# Allegro board pc065c_fibv2_toplevel_26_waive.brd (continued)
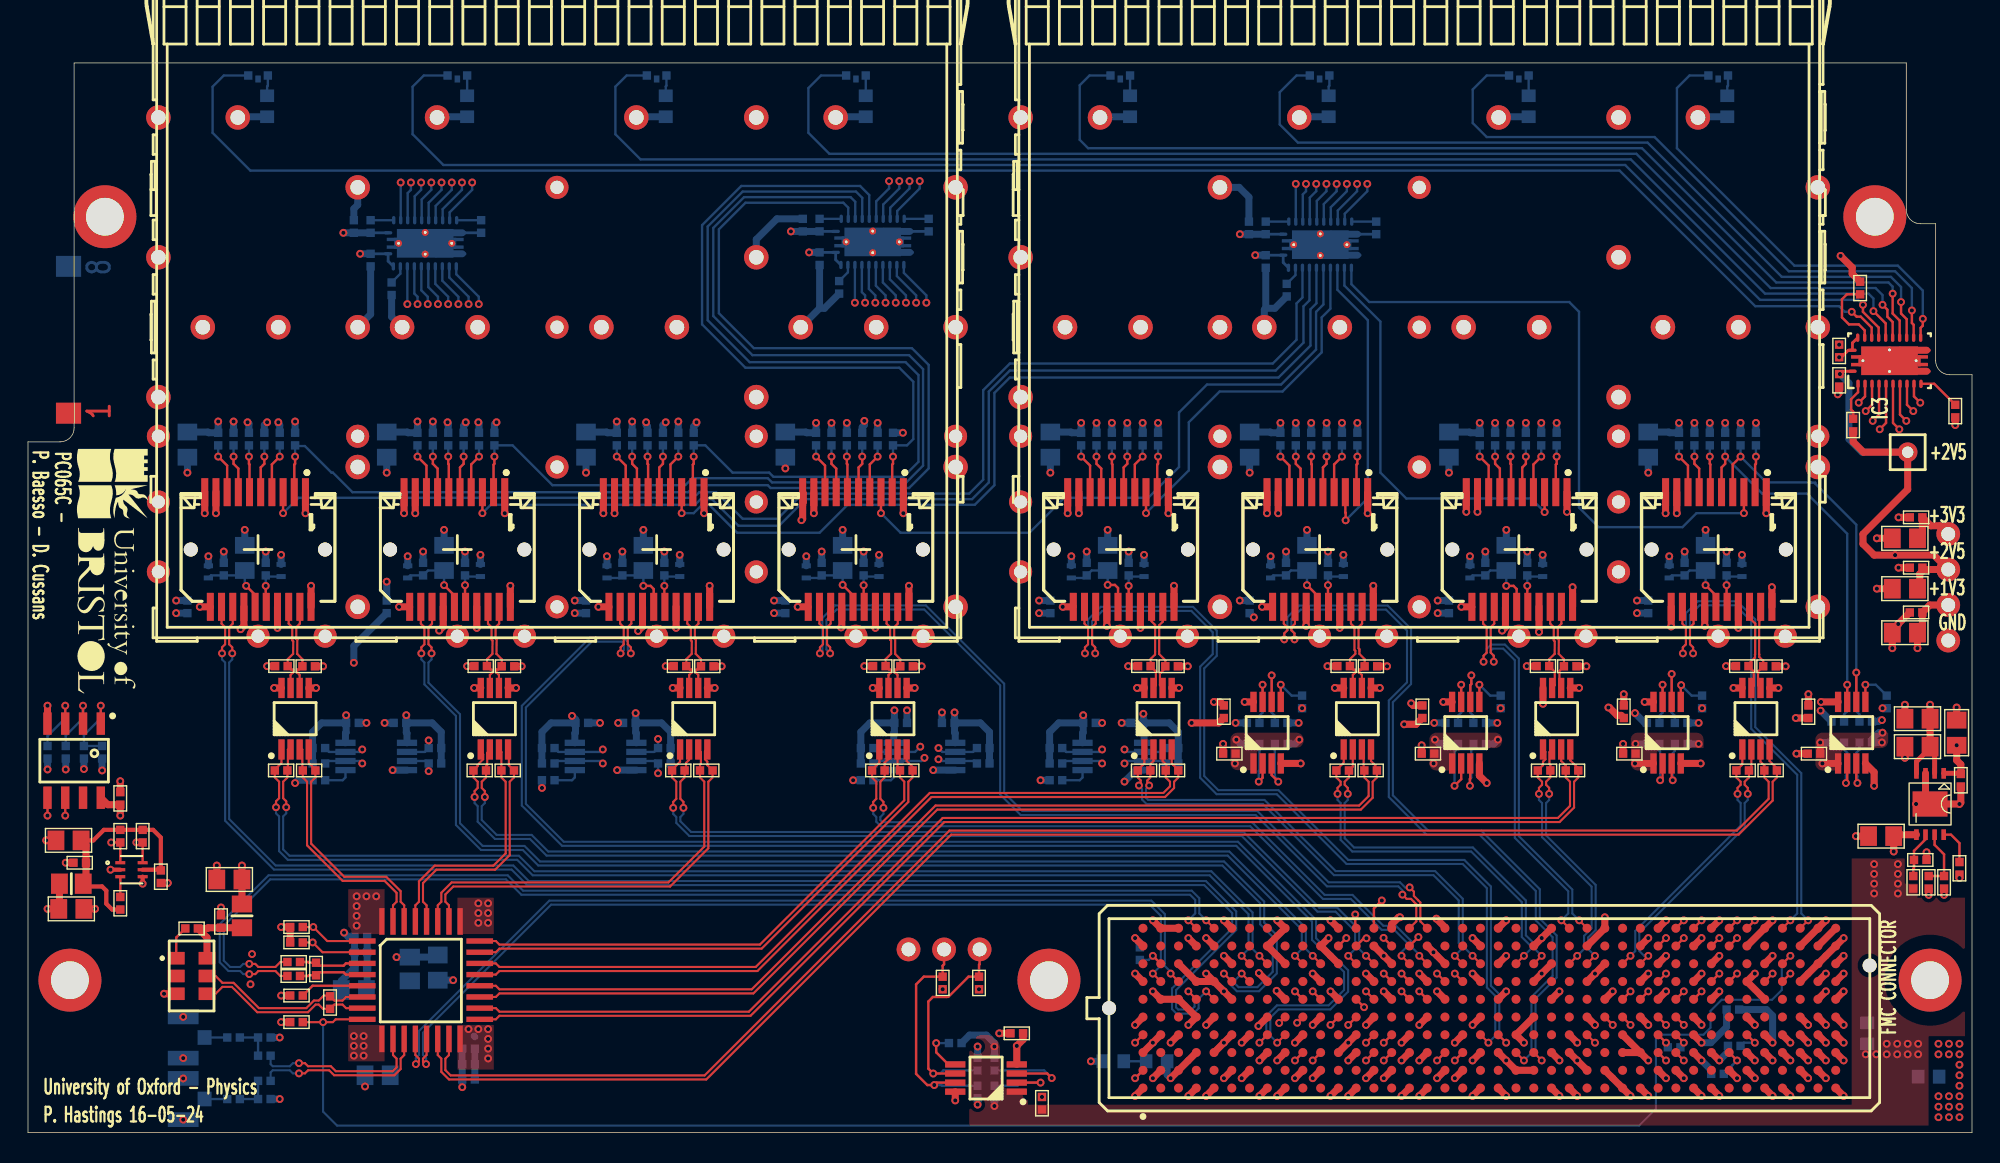
[diagram p0: board, top side]
## Routing (per net, layer and track width the routed paths; a pad name or vN(x,y) marks a point on that pad's centre or on a via; arc(x,y) is an arc through that point) (continued)
SFP_TX_DISABLE<2>: length 62.7
  TOP w0.17: J16.3 v1(46.74,44.3)
  BOTTOM w0.17: v1(46.74,44.3) 47.6,44.3 48.2,44.9 48.7,44.9 50.7,42.9 56.6,42.9 58.6,44.9 67.7,44.9 69.1,46.3 69.1,52.9 70.2,54 89.42,54 91.7,56.28 91.7,58.88 92.12,59.31 IC6.19
SFP_TX_DISABLE<3>: length 47
  TOP w0.17: J20.3 v1(60.99,44.3)
  BOTTOM w0.17: IC6.18 92.62,59.23 92.1,58.7 92.1,56 89.6,53.5 84.3,53.5 82.3,51.5 82.3,47.6 80.1,45.4 74.1,45.4 71.6,42.9 62.39,42.9 v1(60.99,44.3)
SFP_TX_DISABLE<4>: length 27.1
  TOP w0.17: J36.3 v1(79.94,44.3)
  BOTTOM w0.17: v1(79.94,44.3) 83,47.36 83,50.8 85.2,53 89.7,53 92.5,55.8 92.5,58.3 93.12,58.92 IC6.17
SFP_TX_DISABLE<5>: length 21.6
  TOP w0.17: v1(94.21,43.79) 94.21,44.33 94.19,44.35 J32.3
  BOTTOM w0.17: IC6.16 93.62,60.27 95.8,58.1 95.8,45.38 v1(94.21,43.79)
SFP_TX_DISABLE<6>: length 30
  TOP w0.17: J28.3 v1(108.44,44.38)
  BOTTOM w0.17: IC6.15 94.12,60.58 96.7,58 96.7,47.2 98.55,45.35 107.47,45.35 v1(108.44,44.38)
SFP_TX_DISABLE<7>: length 46.6
  TOP w0.17: J24.3 v1(122.69,44.3)
  BOTTOM w0.17: IC6.14 94.62,60.67 95.9,59.4 110.2,59.4 110.9,58.7 110.9,44.7 112.3,43.3 118.3,43.3 119.3,44.3 v1(122.69,44.3)
SFP_TX_DISABLE_FPGA<0>: length 95.7
  TOP w0.17: 117.83,9.54 v1(118.39,10.1)
  L6_SIG w0.17: v1(90.65,67.85) 90.65,66.35 91.4,65.6 119.9,65.6 125.3,60.2 125.3,27.5 117.7,19.9 117.7,13.1 118.39,12.41 v1(118.39,10.1)
  BOTTOM w0.17: IC6.3 v1(90.65,67.85)
SFP_TX_DISABLE_FPGA<1>: length 101.3
  TOP w0.17: 116.56,8.27 v1(117.12,7.7)
  L6_SIG w0.17: v1(91.38,67.85) 91.38,68.34 91.12,68.6 89.9,68.6 89.7,68.4 89.7,66.6 91.3,65 118.8,65 124.1,59.7 124.1,28 116.5,20.4 116.5,12.3 116.8,12 117.4,12 117.8,11.6 117.8,9.4 117.12,8.72 v1(117.12,7.7)
  BOTTOM w0.17: v1(91.38,67.85) 91.38,67.32 91.15,67.09 IC6.4
SFP_TX_DISABLE_FPGA<2>: length 97.4
  TOP w0.17: 121.64,14.62 v1(122.2,15.18)
  L6_SIG w0.17: v1(92.11,67.85) 92.11,67.09 93,66.2 122.7,66.2 128.6,60.3 128.6,26.9 120.2,18.5 120.2,13.6 120.6,13.2 121.1,13.2 121.5,13.6 121.5,13.99 122.2,14.69 v1(122.2,15.18)
  BOTTOM w0.17: v1(92.11,67.85) 92.11,67.32 91.65,66.86 IC6.5
SFP_TX_DISABLE_FPGA<3>: length 95.4
  TOP w0.17: J2.J33 v1(120.93,13.91)
  L6_SIG w0.17: v1(92.84,67.85) 92.84,67.26 93.26,66.84 96.54,66.84 98.65,68.95 120.85,68.95 129.24,60.56 129.24,26.64 121.6,19 121.6,15.1 120.93,14.43 v1(120.93,13.91)
  BOTTOM w0.17: IC6.6 92.15,66.63 92.84,67.32 v1(92.84,67.85)
SFP_TX_DISABLE_FPGA<4>: length 139.5
  TOP w0.17: 119.09,9.54 v1(119.66,10.1)
  L6_SIG w0.17: v1(93.57,67.85) 94,68.28 94,73.3 94.7,74 94.7,75 98.7,79 128.7,79 134.7,73 134.7,22.57 130.5,18.37 130.5,7.6 130,7.1 117.87,7.1 117.7,7.27 117.7,8.14 v1(119.66,10.1)
  BOTTOM w0.17: v1(93.57,67.85) 93.57,67.32 92.65,66.4 IC6.7
SFP_TX_DISABLE_FPGA<5>: length 127.2
  TOP w0.17: J2.E31 v1(118.39,7.7)
  L6_SIG w0.17: v1(94.3,67.85) 94.7,68.25 94.7,72.3 100.4,78 125.6,78 133.7,69.9 133.7,23.2 129.2,18.7 129.2,9.4 128.5,8.7 119.39,8.7 v1(118.39,7.7)
  BOTTOM w0.17: v1(94.3,67.85) 94.3,67.32 93.15,66.17 IC6.8
SFP_TX_DISABLE_FPGA<6>: length 100.5
  TOP w0.17: 122.91,14.62 v1(123.47,15.18)
  L6_SIG w0.17: v1(95.03,67.85) 95.03,69.69 101.11,75.77 117.89,75.77 131.07,62.59 131.07,25.11 123.47,17.51 v1(123.47,15.18)
  BOTTOM w0.17: v1(95.03,67.85) 95.03,67.32 93.65,65.94 IC6.9
SFP_TX_DISABLE_FPGA<7>: length 99.9
  TOP w0.17: 121.64,13.35 v1(122.2,13.91)
  L6_SIG w0.17: v1(95.76,67.85) 95.76,69.47 101.39,75.1 117.61,75.1 130.4,62.31 130.4,25.39 122.8,17.79 122.8,14.51 v1(122.2,13.91)
  BOTTOM w0.17: v1(95.76,67.85) 95.76,67.32 94.15,65.71 IC6.10
TD_FFD_N<0>: length 82.9
  TOP w0.15: U3.2 18.59,27.4 18.59,25.93 R1.2 18.55,25.4 18.25,25.09 18.25,23.92 18.46,23.7 v1(18.46,23.27) ; J2.H8 v1(88.05,12.64)
  BOTTOM w0.15: v1(18.46,23.27) 18.46,22.83 18.25,22.61 18.25,20.25 18.7,19.8 35.1,19.8 36.21,18.69 84.61,18.69 87.56,15.74 87.56,13.13 v1(88.05,12.64)
TD_FFD_N<1>: length 70.6
  TOP w0.15: U4.2 32.89,27.26 32.89,27.2 32.84,27.15 32.84,26.29 32.75,26.2 R187.2 32.75,25.4 32.45,25.09 32.45,24.65 32.66,24.43 v1(32.66,24) ; J2.H11 v1(91.86,12.64)
  BOTTOM w0.15: v1(32.66,24) 32.66,23.56 32.45,23.34 32.45,22.36 33.51,21.29 36.01,21.29 37.2,20.1 85.9,20.1 91.37,14.63 91.37,13.13 v1(91.86,12.64)
TD_FFD_N<2>: length 60.2
  TOP w0.15: v1(46.87,23.22) 46.87,23.65 46.65,23.87 46.65,25.09 46.95,25.4 R189.2 47.05,26 47.05,26.44 47.27,26.66 U5.2 ; J2.H14 v1(95.67,12.64)
  BOTTOM w0.15: v1(95.67,12.64) 95.18,13.13 95.18,14.52 93.61,16.09 92.32,16.09 86.91,21.5 47.41,21.5 46.65,22.27 46.65,22.57 46.87,22.79 v1(46.87,23.22)
TD_FFD_N<3>: length 49.1
  TOP w0.15: U6.2 61.52,26.7 61.5,26.7 61.25,26.45 R191.2 61.25,25.4 60.95,25.09 60.95,23.87 61.16,23.65 v1(61.16,23.22) ; J2.H17 v1(99.48,12.64)
  BOTTOM w0.15: v1(61.16,23.22) 61.16,22.79 60.95,22.57 60.95,22.35 61.09,22.2 87.51,22.2 92.71,17 94.7,17 96.91,14.79 97.81,14.79 98.9,13.7 98.9,13.3 99.48,12.72 v1(99.48,12.64)
TD_FFD_N<4>: length 34.6
  TOP w0.15: v1(80.17,24.82) 80.03,24.96 80.03,25.18 80.25,25.4 R199.2 80.25,26.35 80.47,26.57 U10.2 ; 103.86,12.07 v1(103.29,12.64)
  BOTTOM w0.15: v1(103.29,12.64) 102.8,13.13 102.8,13.46 102.59,13.67 102.59,16.72 100.61,18.7 93.5,18.7 88.41,23.79 80.09,23.79 79.94,23.94 79.94,24.6 v1(80.17,24.82)
TD_FFD_N<5>: length 26.8
  TOP w0.15: v1(94.36,24.22) 94.36,24.65 94.14,24.87 94.14,25.09 94.45,25.4 R197.2 94.72,26.18 U9.2 ; J2.H23 v1(108.23,12.64)
  BOTTOM w0.15: v1(94.36,24.22) 94.36,23.79 94.14,23.57 94.14,21.06 94.81,20.39 103.31,20.39 107.1,16.6 107.1,14.11 107.74,13.46 107.74,13.13 v1(108.23,12.64)
TD_FFD_N<6>: length 17.9
  TOP w0.15: v1(108.77,24.22) 108.77,24.65 108.55,24.87 108.55,25.09 108.85,25.4 R195.2 108.85,26.3 108.78,26.37 108.78,27.21 U8.2 ; J2.H26 v1(112.04,12.64)
  BOTTOM w0.15: v1(112.04,12.64) 111.55,13.13 111.55,13.95 112.09,14.49 112.09,17.71 108.55,21.25 108.55,23.57 108.77,23.79 v1(108.77,24.22)
TD_FFD_N<7>: length 19.5
  TOP w0.15: v1(122.97,24.22) 122.97,24.65 122.75,24.87 122.75,25.09 123.05,25.4 R193.2 123.22,26.07 U7.2 ; J2.H29 v1(115.85,12.64)
  BOTTOM w0.15: v1(115.85,12.64) 115.56,12.64 115.21,12.99 115.21,14.3 122.75,21.83 122.75,23.57 122.97,23.79 v1(122.97,24.22)
TD_FFD_P<0>: length 82.9
  TOP w0.15: J2.H7 v1(86.78,12.64) ; v1(17.73,23.27) 17.73,23.7 17.95,23.92 17.95,25.09 17.65,25.4 R1.1 17.65,25.96 18.12,26.43 U3.1
  BOTTOM w0.15: v1(17.73,23.27) 17.73,22.83 17.95,22.61 17.95,20.13 18.57,19.51 34.98,19.51 36.09,18.4 84.49,18.4 87.27,15.62 87.27,13.13 v1(86.78,12.64)
TD_FFD_P<1>: length 70.8
  TOP w0.15: J2.H10 v1(90.59,12.64) ; U4.1 32.38,27.25 32.49,27.13 32.49,27.11 32.55,27.06 32.55,26.7 32.15,26.3 32.15,26.2 R187.1 31.85,25.4 32.16,25.09 32.16,24.65 31.93,24.43 v1(31.93,24)
  BOTTOM w0.15: v1(90.59,12.64) 91.08,13.13 91.08,14.51 85.78,19.81 37.08,19.81 35.89,21 33.39,21 32.16,22.23 32.16,23.34 31.93,23.56 v1(31.93,24)
TD_FFD_P<2>: length 60.3
  TOP w0.15: J2.H13 v1(94.4,12.64) ; v1(46.13,23.22) 46.13,23.65 46.35,23.87 46.35,25.09 46.05,25.4 R189.1 46.15,26 46.15,26.05 46.62,26.52 U5.1
  BOTTOM w0.15: v1(94.4,12.64) 94.89,13.13 94.89,14.4 93.49,15.8 92.2,15.8 86.79,21.21 47.29,21.21 46.35,22.15 46.35,22.57 46.13,22.79 v1(46.13,23.22)
TD_FFD_P<3>: length 49.1
  TOP w0.15: U6.1 60.88,26.47 60.35,25.95 R191.1 60.35,25.4 60.66,25.09 60.66,23.87 60.44,23.65 v1(60.44,23.22) ; 98.78,12.07 v1(98.21,12.64)
  BOTTOM w0.15: v1(98.21,12.64) 98.21,12.91 98.61,13.31 98.61,13.58 97.69,14.5 96.79,14.5 94.58,16.71 92.59,16.71 87.39,21.91 60.97,21.91 60.66,22.23 60.66,22.57 60.44,22.79 v1(60.44,23.22)
TD_FFD_P<4>: length 34.7
  TOP w0.15: U10.1 79.83,26.41 79.35,25.93 R199.1 79.35,25.4 79.56,25.19 79.56,24.98 79.44,24.85 v1(79.44,24.82) ; J2.H19 v1(102.02,12.64)
  BOTTOM w0.15: v1(102.02,12.64) 102.51,13.13 102.51,13.34 102.3,13.55 102.3,16.6 100.49,18.41 93.38,18.41 88.29,23.5 79.97,23.5 79.66,23.82 79.66,24.55 79.44,24.77 v1(79.44,24.82)
TD_FFD_P<5>: length 26.9
  TOP w0.15: J2.H22 v1(106.96,12.64) ; U9.1 94.08,26.46 93.55,25.93 R197.1 93.55,25.4 93.86,25.09 93.86,24.87 93.64,24.65 v1(93.64,24.22)
  BOTTOM w0.15: v1(106.96,12.64) 107.45,13.13 107.45,13.34 106.81,13.98 106.81,16.48 103.19,20.1 94.69,20.1 93.86,20.93 93.86,23.57 93.64,23.79 v1(93.64,24.22)
TD_FFD_P<6>: length 18.1
  TOP w0.15: U8.1 108.5,27.23 108.5,26.7 108.33,26.53 108.33,26.27 R195.1 107.95,25.4 108.25,25.09 108.25,24.87 108.03,24.65 v1(108.03,24.22) ; J2.H25 v1(110.77,12.64)
  BOTTOM w0.15: v1(110.77,12.64) 111.26,13.13 111.26,14.07 111.8,14.61 111.8,17.59 108.25,21.13 108.25,23.57 108.03,23.79 v1(108.03,24.22)
TD_FFD_P<7>: length 19.3
  TOP w0.15: v1(122.23,24.22) 122.23,24.65 122.45,24.87 122.45,25.09 122.15,25.4 R193.1 122.52,26.27 122.52,26.3 122.58,26.36 U7.1 ; J2.H28 v1(114.58,12.64)
  BOTTOM w0.15: v1(122.23,24.22) 122.23,23.79 122.45,23.57 122.45,21.95 114.92,14.42 114.92,12.98 v1(114.58,12.64)
TEMP_ALERT: length 1.4
  TOP w0.17: IC2.3 R11.1
UNNAMED_1_CAPCERSMDCL2_I31_B: length 5.7
  TOP w0.17: J7.15 16.24,38.46 v1(15.6,39.1)
  BOTTOM w0.17: L5.1 13.09,39.85 C35.2 15.15,39.85 C34.2 15.5,39.2 v1(15.6,39.1)
UNNAMED_1_CAPCERSMDCL2_I31_B_1: length 5.7
  TOP w0.17: v1(29.75,39.15) 30.49,38.41 J12.15
  BOTTOM w0.17: L7.1 27.34,39.85 C44.2 28.6,40.2 C43.2 v1(29.75,39.15)
UNNAMED_1_CAPCERSMDCL2_I31_B_2: length 6
  TOP w0.17: J16.15 44.74,38.88 44.52,39.1 v1(44,39.1)
  BOTTOM w0.17: v1(44,39.1) C48.2 43.65,39.85 C49.2 42.31,39.66 L9.1
UNNAMED_1_CAPCERSMDCL2_I31_B_3: length 5.7
  TOP w0.17: v1(58.25,39.17) 58.99,38.43 J20.15
  BOTTOM w0.17: L11.1 56.56,39.66 C54.2 57.9,39.85 C53.2 v1(58.25,39.17)
UNNAMED_1_CAPCERSMDCL2_I31_B_4: length 5.7
  TOP w0.17: v1(119.95,39.15) 120.69,38.41 J24.15
  BOTTOM w0.17: v1(119.95,39.15) C62.2 118.8,40.2 C63.2 117.53,39.85 L13.1
UNNAMED_1_CAPCERSMDCL2_I31_B_5: length 6
  TOP w0.17: J28.15 106.44,38.88 106.22,39.1 v1(105.7,39.1)
  BOTTOM w0.17: v1(105.7,39.1) C67.2 104.55,40.2 C68.2 103.28,39.85 L15.1
UNNAMED_1_CAPCERSMDCL2_I31_B_6: length 5.7
  TOP w0.17: J32.15 92.19,38.41 v1(91.45,39.15)
  BOTTOM w0.17: L17.1 89.03,39.85 C73.2 90.3,40.2 C72.2 v1(91.45,39.15)
UNNAMED_1_CAPCERSMDCL2_I31_B_7: length 6
  TOP w0.17: J36.15 77.94,38.95 77.72,39.17 v1(77.2,39.17)
  BOTTOM w0.17: L19.1 75.52,39.66 C78.2 76.05,40.2 C77.2 v1(77.2,39.17)
UNNAMED_1_CAPCERSMDCL2_I35_B: length 3.4
  TOP w0.17: J7.16 17,37.64 v1(17,39.1)
  BOTTOM w0.17: v1(17,39.1) C33.2 17.09,39.77 L4.2
UNNAMED_1_CAPCERSMDCL2_I35_B_1: length 3.4
  TOP w0.17: J12.16 31.25,37.64 v1(31.25,39.15)
  BOTTOM w0.17: v1(31.25,39.15) C42.2 31.34,39.77 L6.2
UNNAMED_1_CAPCERSMDCL2_I35_B_2: length 3.4
  TOP w0.17: J16.16 45.5,37.64 v1(45.5,39.1)
  BOTTOM w0.17: v1(45.5,39.1) C47.2 45.59,39.77 L8.2
UNNAMED_1_CAPCERSMDCL2_I35_B_3: length 3.4
  TOP w0.17: v1(59.75,39.15) 59.75,37.64 J20.16
  BOTTOM w0.17: L10.2 59.84,39.77 C52.2 v1(59.75,39.15)
UNNAMED_1_CAPCERSMDCL2_I35_B_4: length 3.4
  TOP w0.17: J24.16 121.45,37.64 v1(121.45,39.15)
  BOTTOM w0.17: L12.2 121.53,39.77 C61.2 v1(121.45,39.15)
UNNAMED_1_CAPCERSMDCL2_I35_B_5: length 3.4
  TOP w0.17: v1(107.2,39.1) 107.2,37.64 J28.16
  BOTTOM w0.17: L14.2 107.28,39.77 C66.2 v1(107.2,39.1)
UNNAMED_1_CAPCERSMDCL2_I35_B_6: length 3.4
  TOP w0.17: v1(92.95,39.15) 92.95,37.64 J32.16
  BOTTOM w0.17: L16.2 93.03,39.77 C71.2 v1(92.95,39.15)
UNNAMED_1_CAPCERSMDCL2_I35_B_7: length 3.4
  TOP w0.17: v1(78.7,39.1) 78.7,37.64 J36.16
  BOTTOM w0.17: v1(78.7,39.1) C76.2 78.78,39.77 L18.2
UNNAMED_1_CON20PSFP_I19_RATES_1: length 3.5
  TOP w0.17: v1(28.95,48.34) 28.95,47.83 29.29,47.49 J12.7
  BOTTOM w0.17: R41.1 v1(28.95,48.34)
UNNAMED_1_CON20PSFP_I19_RATES_2: length 3.5
  TOP w0.17: J16.7 43.54,47.49 43.2,47.83 v1(43.2,48.34)
  BOTTOM w0.17: R49.1 v1(43.2,48.34)
UNNAMED_1_CON20PSFP_I19_RATES_3: length 3.5
  TOP w0.17: v1(57.45,48.34) 57.45,47.83 57.79,47.49 J20.7
  BOTTOM w0.17: R57.1 v1(57.45,48.34)
UNNAMED_1_CON20PSFP_I19_RATES_4: length 3.5
  TOP w0.17: v1(119.15,48.34) 119.15,47.83 119.49,47.49 J24.7
  BOTTOM w0.17: R106.1 v1(119.15,48.34)
UNNAMED_1_CON20PSFP_I19_RATES_5: length 3.5
  TOP w0.17: J28.7 105.24,47.49 104.9,47.83 v1(104.9,48.34)
  BOTTOM w0.17: R114.1 v1(104.9,48.34)
UNNAMED_1_CON20PSFP_I19_RATES_6: length 3.5
  TOP w0.17: v1(90.65,48.34) 90.65,47.83 90.99,47.49 J32.7
  BOTTOM w0.17: R122.1 v1(90.65,48.34)
UNNAMED_1_CON20PSFP_I19_RATES_7: length 3.5
  TOP w0.17: J36.7 76.74,47.49 76.4,47.83 v1(76.4,48.34)
  BOTTOM w0.17: R130.1 v1(76.4,48.34)
UNNAMED_1_CON20PSFP_I19_RATESEL: length 3.5
  TOP w0.17: v1(14.7,48.34) 14.7,47.83 15.04,47.49 J7.7
  BOTTOM w0.17: R29.1 v1(14.7,48.34)
UNNAMED_1_RSMD0402_I7_B: length 3.3
  TOP w0.17: IC11.5 65.8,4.88 64.94,5.74 v1(64.94,6.4)
  BOTTOM w0.17: R133.2 v1(64.94,6.4)
UNNAMED_1_RSMD0402_I7_B_1: length 2.1
  BOTTOM w0.17: IC12.5 22.7,25.4 22.5,25.2 R138.2
UNNAMED_1_RSMD0402_I7_B_2: length 2.1
  BOTTOM w0.17: IC14.5 39.1,25.4 38.9,25.2 R143.2
UNNAMED_1_RSMD0402_I7_B_3: length 2.1
  BOTTOM w0.17: R148.2 61.7,25.2 61.9,25.4 IC15.5
UNNAMED_1_RSMD0402_I7_B_4: length 2.1
  BOTTOM w0.17: R153.2 75.2,25.2 75.4,25.4 IC16.5
UNNAMED_1_RSMD0402_I7_B_5: length 3.1
  TOP w0.17: 89.58,30.8 v1(89.58,32.03)
  BOTTOM w0.17: R158.2 90.36,31.25 v1(89.58,32.03)
UNNAMED_1_RSMD0402_I7_B_6: length 3.1
  TOP w0.17: 103.78,30.8 v1(103.78,32.03)
  BOTTOM w0.17: v1(103.78,32.03) 104.56,31.25 R163.2
UNNAMED_1_RSMD0402_I7_B_7: length 3
  TOP w0.17: v1(118.2,32) 118.17,31.98 IC19.5
  BOTTOM w0.17: R168.2 118.95,31.25 v1(118.2,32)
UNNAMED_1_RSMD0402_I7_B_8: length 3.1
  TOP w0.17: IC20.5 v1(131.38,32.03)
  BOTTOM w0.17: v1(131.38,32.03) 132.12,32.03 R173.2
UNNAMED_4_FMCHPCGENERIC_I62_GA0: length 2.2
  TOP w0.17: 121.64,5.72 v1(122.2,5.16)
  BOTTOM w0.17: v1(122.2,5.16) 121.85,4.8 121.85,4.8 R16.2
UNNAMED_4_FMCHPCGENERIC_I62_GA1: length 1.9
  TOP w0.17: 122.91,7 v1(123.47,6.43)
  BOTTOM w0.17: v1(123.47,6.43) 122.68,6.43 R20.2
UNNAMED_4_FMCHPCGENERIC_I62_TDI: length 1.2
  TOP w0.17: 116.56,7 v1(117.12,6.43)
  BOTTOM w0.17: v1(117.12,6.43) 117.25,6.3 R65.1
UNNAMED_4_FMCHPCGENERIC_I62_TDO: length 1.2
  TOP w0.17: 117.83,7 v1(118.39,6.43)
  BOTTOM w0.17: R65.2 118.15,6.19 v1(118.39,6.43)
UNNAMED_5_24AA025E48_I9_A0: length 6
  TOP w0.17: IC1.1 v1(5.21,30.53)
  BOTTOM w0.17: R201.1 R202.1 4,28.43 5.21,29.63 v1(5.21,30.53)
UNNAMED_5_24AA025E48_I9_A1: length 4.7
  TOP w0.17: 3.94,29.25 v1(3.94,30.53)
  BOTTOM w0.17: v1(3.94,30.53) 3.94,29.63 2.7,28.39 R204.1
UNNAMED_5_24AA025E48_I9_A2: length 4.7
  TOP w0.17: IC1.3 v1(2.67,30.53)
  BOTTOM w0.17: R203.1 1.4,28.36 2.67,29.63 v1(2.67,30.53)
UNNAMED_7_CAPCERSMDCL2_I28_B: length 2.7
  TOP w0.17: U11.8 137.5,21.3 138.1,20.7 C101.2
UNNAMED_7_MP20075REG_I17_EN: length 4.3
  TOP w0.17: R182.2 R62.2 137,19.9 136.32,20.57 U11.7
UNNAMED_7_MP20075REG_I17_REF: length 3.3
  TOP w0.17: R183.2 134.8,18.86 134.85,18.91 C19.2 134.85,20.15 135.68,20.98 U11.6
UNNAMED_8_CAPCERSMDCL2_I154_B: length 2.6
  BOTTOM w0.17: C30.2 R12.2 R18.1
UNNAMED_8_CAPCERSMDCL2_I158_B: length 2.6
  BOTTOM w0.17: C121.2 R17.2 R19.1
UNNAMED_8_CAPCERSMDCL2_I167_A: length 4.6
  TOP w0.17: U1.3 22.73,12.1 22.57,11.94 20.82,11.94 R2.1 20.09,12.15 20.04,12.2 C16.1
UNNAMED_8_CAPCERSMDCL2_I168_B: length 4.6
  TOP w0.17: U1.4 22.73,11.3 22.57,11.46 20.82,11.46 R2.2 20.09,11.25 20.04,11.2 C18.2
UNNAMED_8_PCOAX_I121_A: length 1.6
  BOTTOM w0.17: R18.2 PX3.1
UNNAMED_8_PCOAX_I155_A: length 1.6
  BOTTOM w0.17: R19.2 PX4.1
UNNAMED_8_RSMD0402_I172_B: length 2.4
  TOP w0.17: R3.2 10.6,13.95 QZ1.1
UNNAMED_13_RSMD0402_I94_B: length 2.8
  TOP w0.17: IC3.2 130.85,52.95 130.35,52.45 130.35,51.71 130.5,51.56 R66.2
UNNAMED_13_RSMD0402_I95_B: length 3.1
  TOP w0.17: IC3.11 136.3,53.55 R67.2
UNNAMED_13_RSMD0402_I96_B: length 5.3
  TOP w0.17: R68.2 130.05,59.95 129.7,59.6 129.7,58.3 130.2,57.8 130.9,57.8 131.32,57.38 IC3.22
UNNAMED_13_RSMD0402_I126_B: length 1.6
  BOTTOM w0.17: IC4.2 R31.2
UNNAMED_13_RSMD0402_I127_B: length 1.8
  BOTTOM w0.17: IC4.11 R32.2
UNNAMED_13_RSMD0402_I128_B: length 1.4
  BOTTOM w0.17: R69.2 26.62,61.42 IC4.22
UNNAMED_13_RSMD0402_I147_B: length 1.5
  BOTTOM w0.17: IC5.2 R70.2
UNNAMED_13_RSMD0402_I148_B: length 1.8
  BOTTOM w0.17: R71.2 IC5.11
UNNAMED_13_RSMD0402_I149_B: length 1.6
  BOTTOM w0.17: 58.62,62.2 IC5.22 58.62,61.52 R72.2
UNNAMED_13_RSMD0402_I168_B: length 1.7
  BOTTOM w0.17: IC6.2 R73.2
UNNAMED_13_RSMD0402_I169_B: length 1.8
  BOTTOM w0.17: R74.2 IC6.11
UNNAMED_13_RSMD0402_I170_B: length 1.4
  BOTTOM w0.17: R75.2 90.62,61.33 IC6.22
UNNAMED_13_RSMD0603_I76_A: length 1.5
  BOTTOM w0.17: DS1.1 17.15,74.87 17.1,74.82 R30.1
UNNAMED_13_RSMD0603_I77_A: length 1.4
  BOTTOM w0.17: DS2.1 R33.1
UNNAMED_13_RSMD0603_I78_A: length 1.5
  BOTTOM w0.17: R58.1 45.6,74.82 45.65,74.87 DS3.1
UNNAMED_13_RSMD0603_I79_A: length 1.4
  BOTTOM w0.17: DS4.1 R59.1
UNNAMED_13_RSMD0603_I80_A: length 1.4
  BOTTOM w0.17: DS5.1 R60.1
UNNAMED_13_RSMD0603_I81_A: length 1.5
  BOTTOM w0.17: R61.1 93,74.82 93.05,74.87 DS6.1
UNNAMED_13_RSMD0603_I82_A: length 1.4
  BOTTOM w0.17: DS7.1 R63.1
UNNAMED_13_RSMD0603_I83_A: length 1.5
  BOTTOM w0.17: R64.1 121.5,74.82 121.55,74.87 DS8.1
VADJ: length 3.2
  TOP w0.5: 129.25,9.54 v1(129.82,10.1) ; J2.G39 v1(128.55,11.37) ; J2.E39 v1(128.55,7.7) ; 129.25,12.07 v1(129.82,12.64)
VIO_B_M2C: length 1.8
  TOP w0.5: J2.J39 129.25,14.62

## Copper pours and planes (outline as drawn; the poured copper is in the pictures)
GND on TOP: 30.7,16.8 30.7,14.2 33.3,14.2 33.3,16.8
GND on TOP: 22.9,7.7 22.9,5.1 25.5,5.1 25.5,7.7
GND on L2_GND, L7_GND: 3.8,76 133.8,76 133.8,66 134.24,64.94 135.3,64.5 135.9,64.5 135.9,55.2 136.34,54.14 137.4,53.7 138.5,53.7 138.5,0.5 0.5,0.5 0.5,48.9 2.3,48.9 3.36,49.34 3.8,50.4 3.8,50.7 6.1,50.7 6.1,62.7 3.8,62.7
P1V3 on L5_PWR: 3.8,76 133.8,76 133.8,66 134.24,64.94 135.3,64.5 135.9,64.5 135.9,55.2 136.34,54.14 137.4,53.7 138.5,53.7 138.5,0.5 0.5,0.5 0.5,48.9 2.3,48.9 3.36,49.34 3.8,50.4 3.8,50.7 6.1,50.7 6.1,62.7 3.8,62.7
P2V5 on TOP: 91.2,28.1 91.05,28.45 90.7,28.6 86.48,28.6 86.13,28.45 85.98,28.1 85.98,26.42 86.13,26.07 86.48,25.92 87.38,25.92 87.74,26.07 87.88,26.42 87.88,27.02 88.03,27.38 88.38,27.52 90.7,27.52 91.05,27.67 91.2,28.02
P2V5 on TOP: 105.4,28.1 105.25,28.45 104.9,28.6 100.7,28.6 100.35,28.45 100.2,28.1 100.2,26.4 100.35,26.05 100.7,25.9 101.6,25.9 101.95,26.05 102.1,26.4 102.1,27 102.25,27.35 102.6,27.5 104.9,27.5 105.25,27.65 105.4,28
P2V5 on TOP: 130.4,19.6 134.2,19.6 134.2,17.8 135.1,17.8 135.1,16.8 138.5,16.8 138.5,6.9 135.9,6.9 135.9,0.5 67.3,0.5 67.3,6 67.59,6.71 68.3,7 68.5,7 69.21,6.71 69.5,6 69.5,4.2 69.79,3.49 70.5,3.2 71.1,3.2 71.1,2.8 71.21,2.48 71.5,2.31 71.5,2 130.4,2
P2V5 on BOTTOM: 130.8,6.9 130.8,5.1 135.7,5.1 135.7,6.9
P2V5 on BOTTOM: 25.7,14.1 25.7,11.9 30.4,11.9 30.4,14.1
P2V5 on L5_PWR: 21.9,65.4 88.9,65.4 88.9,61.4 68.9,61.4 68.9,19.5 71.3,19.5 71.3,31.2 80.9,31.2 80.9,19.5 85.6,19.5 85.6,31.1 92.2,31.1 92.2,19.5 99.9,19.5 99.9,31.4 107.6,31.4 107.6,19.5 113.9,19.5 113.9,30.6 120.8,30.6 120.8,19.5 131.6,19.5 131.6,25.8 126.5,25.8 126.5,29.7 131.6,29.7 131.6,50 135.3,50 135.3,36.9 133.9,36.9 133.9,33 135.3,33 135.3,15.7 28.8,15.7 28.8,11.8 24.5,11.8 24.5,15.7 17.9,15.7 17.9,30.6 32.9,30.6 32.9,19.5 36.3,19.5 36.3,31 44,31 44,19.5 57,19.5 57,31.6 64.6,31.6 64.6,61.4 21.9,61.4
P2V5_FILT on TOP: 30.7,7.7 30.7,4.5 33.3,4.5 33.3,7.7
P2V5_FILT on TOP: 22.9,17.4 22.9,14.2 25.5,14.2 25.5,17.4
P2V5_FILT on BOTTOM: 22.9,17.4 25.4,17.4 25.4,11.7 25.6,11.5 28.1,11.5 28.1,10.2 26.8,8.4 26.8,2.9 27.1,2.6 31.1,2.6 31.4,2.9 31.4,4.6 30.7,4.6 30.7,7.7 33.7,7.7 33.7,1.3 25.5,1.3 25.1,1.7 25.1,7.6 23.6,9.4 23.6,10.9 23.9,11.4 23.9,14.2 22.9,14.2
P3V3 on BOTTOM: 136.1,0.5 138.5,0.5 138.5,6.9 136.1,6.9
P3V3 on L4_PWR: 3.8,76 133.8,76 133.8,66 134.24,64.94 135.3,64.5 135.9,64.5 135.9,55.2 136.34,54.14 137.4,53.7 138.5,53.7 138.5,0.5 0.5,0.5 0.5,48.9 2.3,48.9 3.36,49.34 3.8,50.4 3.8,50.7 6.1,50.7 6.1,62.7 3.8,62.7
FMC_3P3V on BOTTOM: 123,6.9 130.6,6.9 130.6,4.9 135.7,4.9 135.7,0.5 123,0.5
Net_112 on L7_GND (solid shape): 3.8,59.7 2,59.7 2,61.2 3.8,61.2
Net_113 on L6_SIG (solid shape): 3.8,58.2 2,58.2 2,59.7 3.8,59.7
Net_114 on L5_PWR (solid shape): 3.8,56.7 2,56.7 2,58.2 3.8,58.2
Net_115 on L4_PWR (solid shape): 3.8,55.2 2,55.2 2,56.7 3.8,56.7
Net_116 on L3_SIG (solid shape): 3.8,53.7 2,53.7 2,55.2 3.8,55.2
Net_117 on L2_GND (solid shape): 3.8,52.2 2,52.2 2,53.7 3.8,53.7
Net_118 on TOP (solid shape): 3.8,50.7 2,50.7 2,52.2 3.8,52.2
Net_119 on BOTTOM (solid shape): 3.8,61.2 2,61.2 2,62.7 3.8,62.7
VADJ on BOTTOM: 134.1,46.5 134.39,47.21 135.1,47.5 138.5,47.5 138.5,7.3 127.4,7.3 127.4,13.3 131.1,16.8 134.1,16.8
P2V5 on TOP: 133,28.6 128.3,28.6 127.95,28.45 127.8,28.1 127.8,26.4 127.95,26.05 128.3,25.9 129.2,25.9 129.55,26.05 129.7,26.4 129.7,27 129.85,27.35 130.2,27.5 132.5,27.5 132.85,27.65 133,28
P2V5 on TOP: 119.8,28.1 119.65,28.45 119.3,28.6 115.1,28.6 114.75,28.45 114.6,28.1 114.6,26.4 114.75,26.05 115.1,25.9 116,25.9 116.35,26.05 116.5,26.4 116.5,27 116.65,27.35 117,27.5 119.8,27.5

Small or netless copper shapes (teardrops, artwork), in the pictures only: 6 on TOP, 18 on BOTTOM

## Text on the board
BOTTOM: 8
Ref Des/Silkscreen Bottom: GND | +2V5 | +3V3 | +1V3 | I2C BUS | P. Baesso - D. Cussans | PC065C - | SCL | SDA | 0 | 1 | 2 | 3 | 4 | 5 | 6 | 7
User.Comments: PIN A1 REF. | Paolo Baesso, May 2020, David Cussans, July 2023 | pc065b | SECOND CONNECTOR | (OPTIONAL) | PRIMARY CONNECTOR
TOP: 1
Ref Des/Silkscreen Top: University of Oxford - Physics | P. Hastings 16-05-24 | +3V3 | +2V5 | +1V3 | GND | FMC CONNECTOR | P. Baesso - D. Cussans | PC065C -
L2_GND: 2
L3_SIG: 3
L4_PWR: 4
L5_PWR: 5
L6_SIG: 6
L7_GND: 7
DIMENSION: INPUT 1
COMPVAL_TYPE_BOTTOM: FIGURE | FINISHED_SIZE | 0.3 | 0.8128 | 0.95 | 1.0 | 1.05 | 2.7 | 1.3005 | 1.55 | DRILL CHART: TOP to BOTTOM | ALL UNITS ARE IN MILLIMETERS | PLATED | NON-PLATED | QTY | 1156 | 2 | 40 | 13 | 52 | 5 | 16
